# Altium PCB CABLE_JIG_TEST_PCB.PcbDoc (part 3 of 4) (continued)
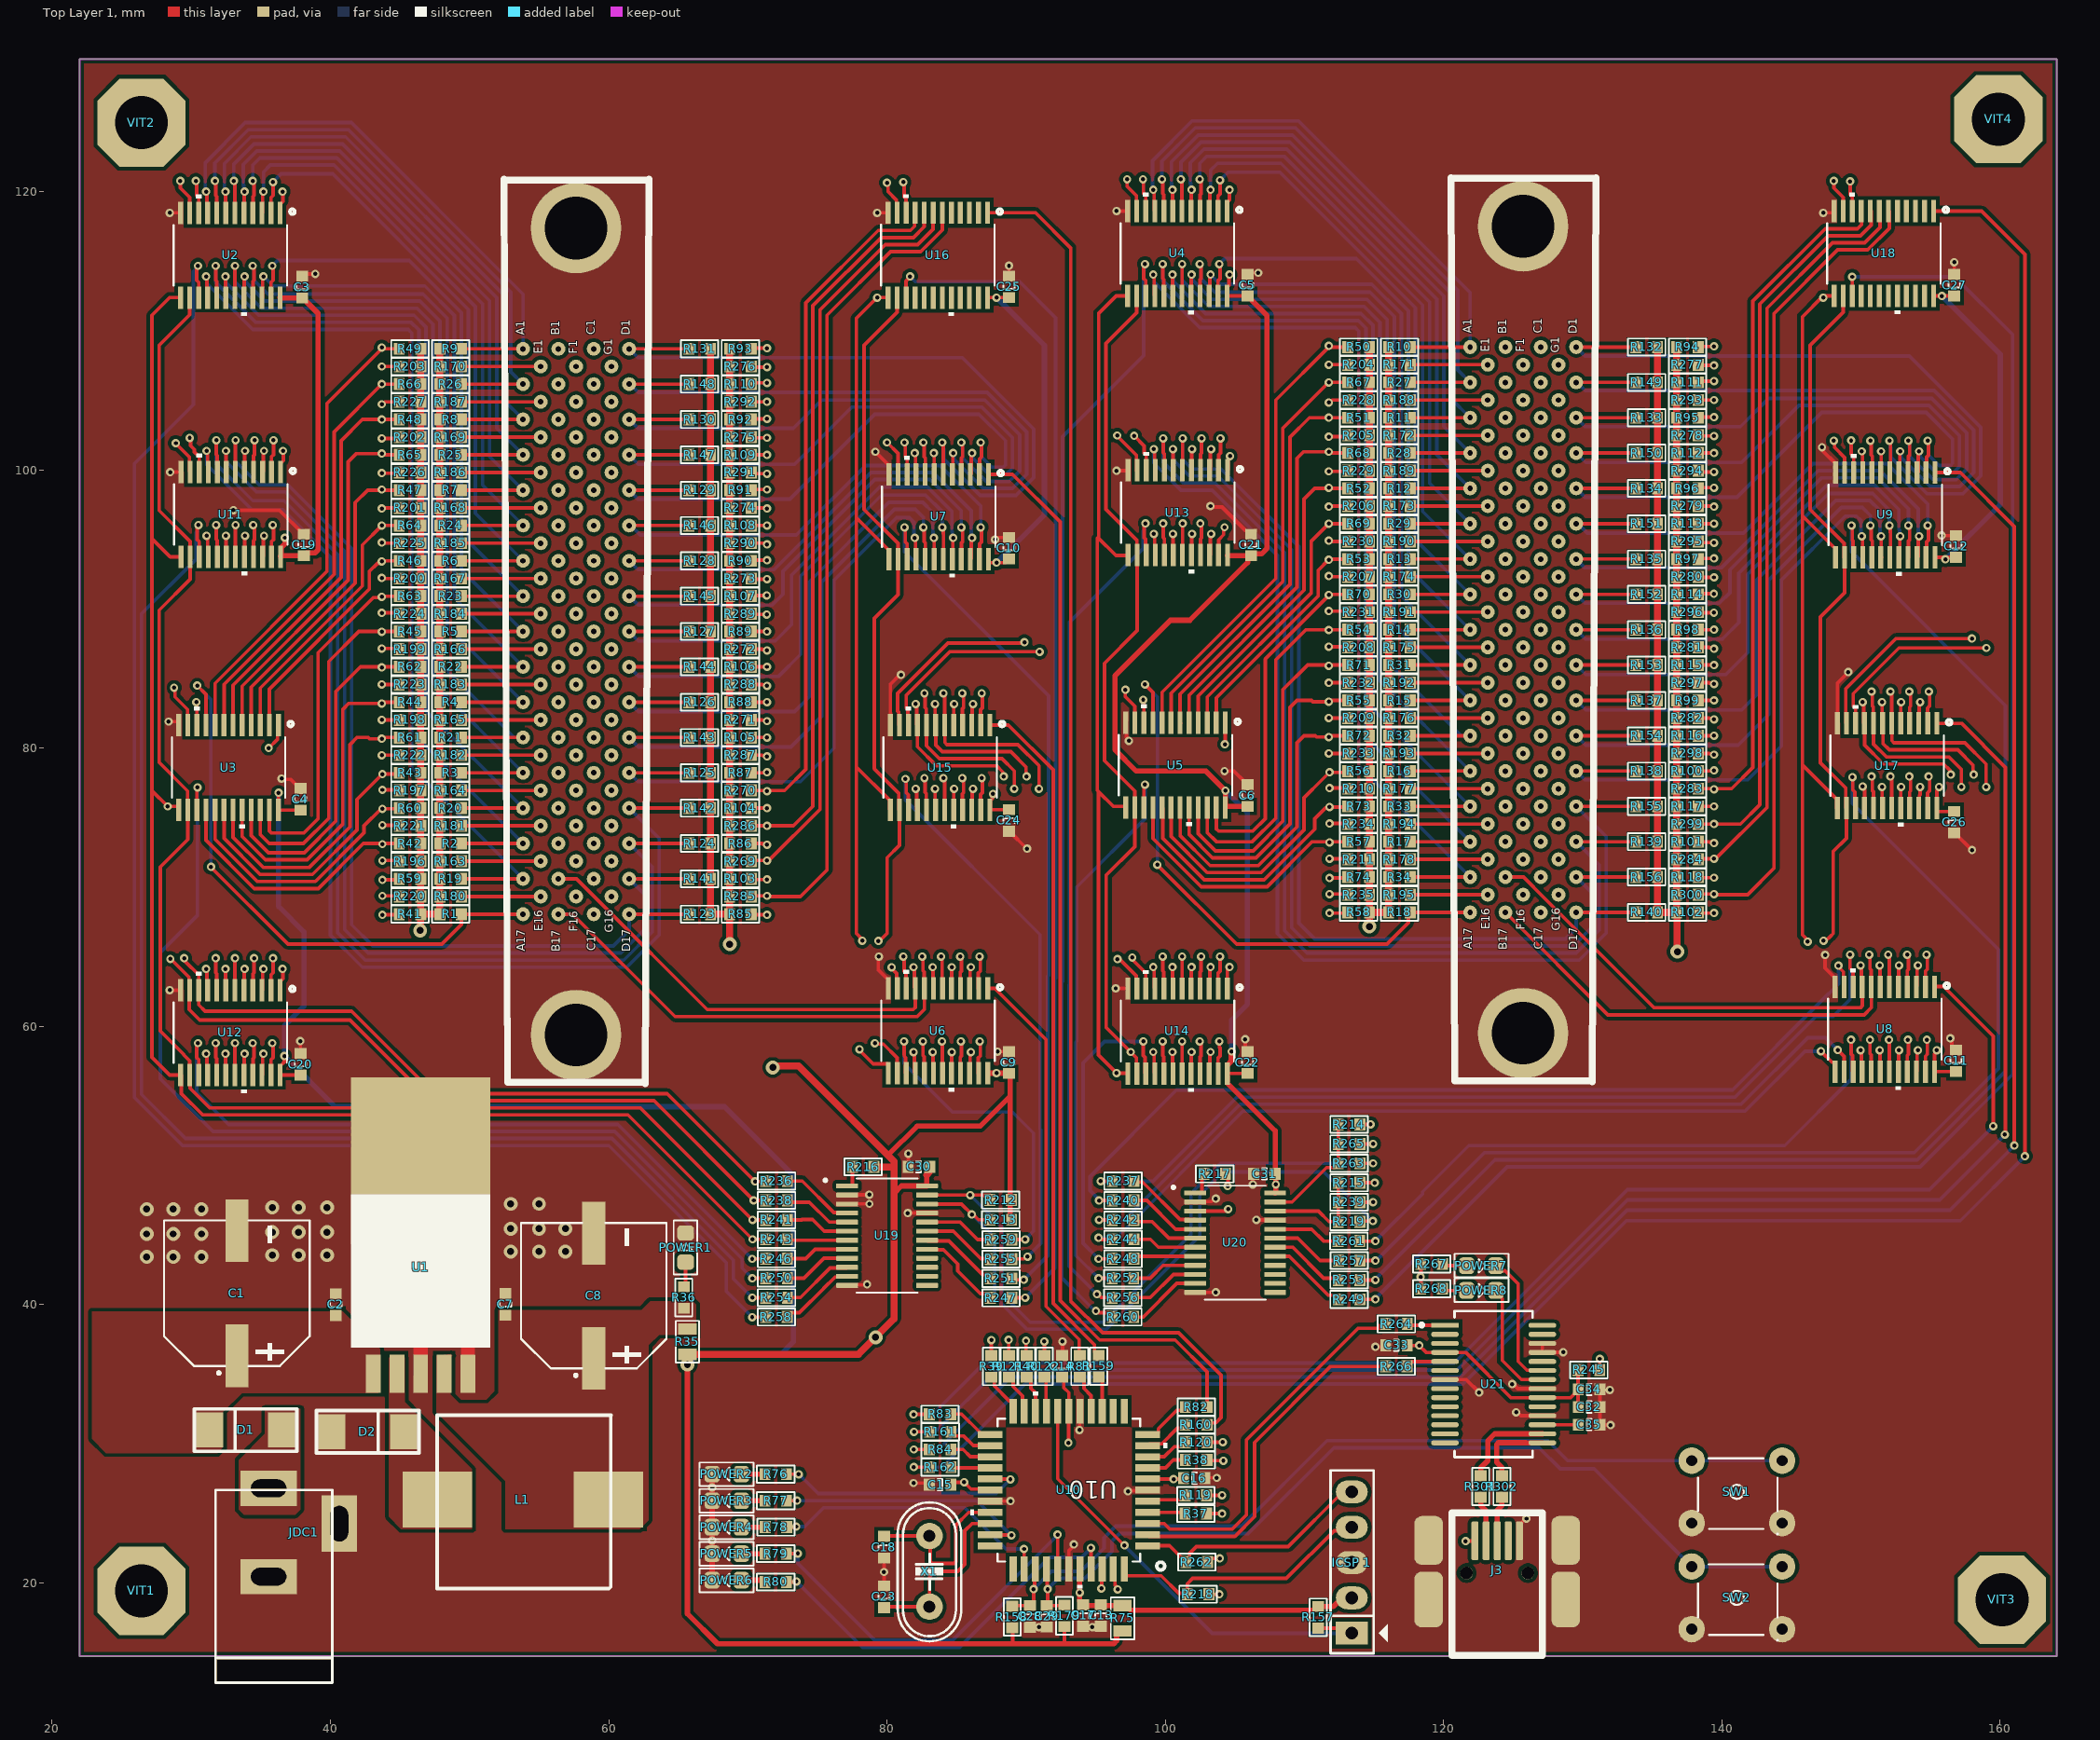
[diagram p0: Top Layer 1 view]
## Nets (pads, with @x,y where several pads share a name; then routed paths per layer and width w, separated by ;. In a path a pad name is that pad's centre, name@x,y a point inside that pad or via, vN(x,y) a via of type N, cw(c..) or ccw(c..) an arc to the next point about the centre after c; other vN are vias at no path point) (continued)
B3Y3: J2.C2 R111.1 U8.6 | length 77.8
  Top Layer 1 w0.254: R111.1@138.316,106.299 138.408,106.391 v1(139.446,106.391) ; v1(151.967,65.151) 151.967,65.057 152.044,64.98 U8.6@152.044,62.865
  Top Layer w0.254: J2.C2@127,106.3 128.247,106.3 129.128,107.181 129.905,107.181 130.695,106.391 v1(139.446,106.391) 139.508,106.329 140.178,106.329 147.828,98.679 147.828,76.752 158.623,65.957 158.623,62.821 157.397,61.595 154.421,61.595 152.059,63.957 152.059,64.656 152.033,64.682 152.033,65.084 v1(151.967,65.151)
B3Y4: J2.C3 R95.1 U8.5 | length 72.6
  Top Layer 1 w0.254: R95.1@138.316,103.759 138.362,103.805 v1(139.446,103.805) ; U8.5@152.694,62.865 152.717,62.888 152.717,64.366 v1(152.74,64.389)
  Top Layer w0.254: J2.C3@127,103.76 128.294,103.76 129.175,104.641 130.182,104.641 131.064,103.759 139.4,103.759 v1(139.446,103.805) 139.492,103.759 141.69,103.759 147.32,98.129 147.32,76.541 158.115,65.746 158.115,63.032 157.186,62.103 154.631,62.103 152.806,63.928 152.806,64.322 v1(152.74,64.389)
B3Y5: J2.C4 R112.1 U8.4 | length 69.4
  Top Layer 1 w0.254: R112.1@138.316,101.219 v1(139.446,101.219) ; v1(153.329,65.151) 153.329,65.057 153.421,64.965 153.421,64.107 153.344,64.03 U8.4@153.344,62.865
  Top Layer w0.254: J2.C4@127,101.22 128.294,101.22 129.175,102.101 130.182,102.101 131.064,101.219 v1(139.446,101.219) 139.512,101.153 139.707,101.153 139.768,101.092 141.441,101.092 146.812,95.721 146.812,76.331 157.607,65.536 157.607,63.242 156.976,62.611 154.842,62.611 153.421,64.032 153.421,64.671 153.395,64.697 153.395,65.084 v1(153.329,65.151)
B3Y6: J2.C5 R96.1 U8.3 | length 63.4
  Top Layer 1 w0.254: R96.1@138.316,98.679 138.362,98.725 v1(139.446,98.725) ; U8.3@153.994,62.865 154.044,62.915 154.044,64.331 v1(154.102,64.389)
  Top Layer w0.254: J2.C5@127,98.68 128.294,98.68 129.175,99.561 130.182,99.561 131.064,98.679 139.4,98.679 v1(139.446,98.725) 141.222,98.725 146.304,93.643 146.304,76.073 157.099,65.278 157.099,63.453 156.765,63.119 155.052,63.119 154.168,64.003 154.168,64.322 v1(154.102,64.389)
B3Y7: J2.C6 R113.1 U8.2 | length 60.8
  Top Layer 1 w0.254: R113.1@138.316,96.139 v1(139.446,96.139) ; U8.2@154.644,62.865 154.644,63.968 154.783,64.107 154.783,65.094 v1(154.726,65.151)
  Top Layer w0.254: J2.C6@127,96.14 128.294,96.14 129.175,97.021 130.182,97.021 131.064,96.139 v1(139.446,96.139) 142.091,96.139 145.796,92.434 145.796,75.819 156.591,65.024 156.591,63.776 156.442,63.627 155.262,63.627 154.783,64.106 154.783,65.094 v1(154.726,65.151)
B3Y8: J2.C7 R97.1 U8.23 | length 61.1
  Top Layer 1 w0.254: R97.1@138.316,93.599 138.362,93.645 v1(139.446,93.645) ; U8.23@154.644,56.765 154.644,57.868 154.783,58.007 154.783,59.016 v1(154.748,59.051)
  Top Layer w0.254: J2.C7@127,93.6 128.247,93.6 129.128,94.481 129.905,94.481 130.787,93.599 139.4,93.599 v1(139.446,93.645) 141.305,93.645 145.288,89.662 145.288,65.278 147.066,63.5 151.079,63.5 154.748,59.831 v1(154.748,59.051)
B3Y9: J2.C8 R114.1 U8.22 | length 58.5
  Top Layer 1 w0.254: R114.1@138.316,91.059 138.362,91.105 v1(139.439,91.105) ; U8.22@153.994,56.765 154.044,56.815 154.044,58.231 v1(154.102,58.289)
  Top Layer w0.254: J2.C8@127,91.06 128.294,91.06 128.659,91.425 129.175,91.941 130.182,91.941 131.064,91.059 139.393,91.059 v1(139.439,91.105) 141.686,91.105 144.78,88.011 144.78,66.04 144.78,65.068 146.856,62.992 147.828,62.992 150.869,62.992 154.067,59.794 154.067,58.324 v1(154.102,58.289)
B3Y10: J2.C9 R98.1 U8.21 | length 55.6
  Top Layer 1 w0.254: R98.1@138.316,88.519 138.836,88.519 v1(139.446,88.519) ; U8.21@153.344,56.765 153.344,57.93 153.421,58.007 153.421,59.016 v1(153.386,59.051)
  Top Layer w0.254: J2.C9@127,88.52 128.294,88.52 128.659,88.885 129.175,89.401 130.182,89.401 131.064,88.519 v1(139.446,88.519) 141.732,88.519 144.272,85.979 144.272,65.83 144.272,64.857 146.645,62.484 147.618,62.484 150.658,62.484 153.386,59.756 v1(153.386,59.051)
B3Y11: J2.C10 R115.1 U8.20 | length 52.4
  Top Layer 1 w0.254: R115.1@138.316,85.979 138.836,85.979 v1(139.446,85.979) ; U8.20@152.694,56.765 152.717,56.788 152.717,58.266 v1(152.74,58.289)
  Top Layer w0.254: J2.C10@127,85.98 128.294,85.98 129.175,86.861 130.182,86.861 131.064,85.979 v1(139.446,85.979) 141.224,85.979 143.764,83.439 143.764,65.405 143.764,64.647 146.435,61.976 147.193,61.976 150.448,61.976 152.705,59.719 152.705,58.324 v1(152.74,58.289)
B3Y12: J2.C11 R99.1 U8.19 | length 49.2
  Top Layer 1 w0.254: R99.1@138.316,83.439 138.836,83.439 v1(139.446,83.439) ; v1(152.024,59.051) 152.059,59.016 U8.19@152.059,56.78
  Top Layer w0.254: J2.C11@127,83.44 128.294,83.44 129.175,84.321 130.182,84.321 131.064,83.439 v1(139.446,83.439) 140.589,83.439 143.256,80.772 143.256,65.195 143.256,64.436 146.224,61.468 146.983,61.468 150.237,61.468 151.973,59.732 151.973,59.101 v1(152.024,59.051)
B3Y13: J2.C12 R116.1 U8.18 | length 46.8
  Top Layer 1 w0.254: R116.1@138.316,80.899 138.836,80.899 v1(139.446,80.899) ; v1(151.363,58.289) 151.379,58.273 151.379,56.78 U8.18@151.394,56.765
  Top Layer w0.254: J2.C12@127,80.9 128.294,80.9 129.175,81.781 130.182,81.781 131.064,80.899 v1(139.446,80.899) 141.329,80.899 142.748,79.48 142.748,64.897 142.748,64.226 146.014,60.96 146.685,60.96 150.027,60.96 151.343,59.644 151.343,58.309 v1(151.363,58.289)
B3Y14: J2.C13 R100.1 U8.17 | length 43.7
  Top Layer 1 w0.254: R100.1@138.316,78.359 138.836,78.359 139.4,78.359 v1(139.446,78.405) ; v1(150.662,59.051) 150.662,58.027 150.744,57.945 U8.17@150.744,56.765
  Top Layer w0.254: J2.C13@127,78.36 128.247,78.36 129.128,79.241 130.182,79.241 131.064,78.359 139.4,78.359 v1(139.446,78.405) 140.543,78.405 142.24,76.708 142.24,64.687 142.24,64.015 145.803,60.452 146.475,60.452 149.816,60.452 150.596,59.673 150.596,59.117 v1(150.662,59.051)
B3Y15: J2.C14 R117.1 U8.16 | length 41.1
  Top Layer 1 w0.254: R117.1@138.316,75.819 138.836,75.819 v1(139.446,75.819) ; v1(149.981,58.289) 150.044,58.226 150.044,56.815 U8.16@150.094,56.765
  Top Layer w0.254: J2.C14@127,75.82 128.294,75.82 129.175,76.701 130.182,76.701 131.064,75.819 v1(139.446,75.819) 141.097,75.819 141.732,75.184 141.732,64.262 141.732,63.805 145.593,59.944 146.05,59.944 149.606,59.944 149.981,59.569 v1(149.981,58.289)
B4_ENABLE: R253.2 U9.15 | length 98.8
  Top Layer 1 w0.254: R253.2@113.991,41.777 v1(115.108,41.777) ; v1(149.33,96.008) 149.387,95.951 149.387,94.964 149.444,94.907 149.444,93.77 U9.15@149.49,93.724
  Bottom Layer 1 w0.254: v1(115.108,41.777) 115.108,41.829 123.698,50.419 154.051,50.419 160.401,56.769 160.401,83.058 149.33,94.129 v1(149.33,96.008)
B4_Z_MCU: R84.1 U10.25 | length 3
  Top Layer 1 w0.254: R84.1@84.595,29.591 85.471,29.591 85.993,29.069 U10.25@87.404,29.069
B4Y0: J2.C15 R101.1 U9.9 | length 99.8
  Top Layer 1 w0.254: R101.1@138.316,73.279 138.836,73.279 139.09,73.279 139.116,73.253 139.38,73.253 v1(139.446,73.187) ; v1(150.068,101.346) 150.131,101.283 150.131,99.872 U9.9@150.181,99.822
  Top Layer w0.254: J2.C15@127,73.28 128.294,73.28 129.175,74.161 130.182,74.161 131.156,73.187 v1(139.446,73.187) ; v1@139.446,73.279 140.335,73.279 141.097,72.517 141.097,61.976 145.923,57.15 158.329,57.15 160.909,59.73 160.909,93.472 155.702,98.679 151.638,98.679 150.068,100.249 v1(150.068,101.346)
B4Y1: J2.C16 R118.1 U9.8 | length 99.7
  Top Layer 1 w0.254: R118.1@138.316,70.739 138.362,70.693 v1(139.446,70.693) ; v1(150.692,102.108) 150.749,102.051 150.749,101.084 150.831,101.002 U9.8@150.831,99.822
  Top Layer w0.254: J2.C16@127,70.74 127.128,70.612 128.166,70.612 129.175,71.621 130.182,71.621 131.064,70.739 139.4,70.739 v1(139.446,70.693) 140.589,69.55 140.589,61.766 145.713,56.642 158.54,56.642 161.417,59.519 161.417,93.726 155.956,99.187 151.892,99.187 150.749,100.33 150.749,102.051 v1(150.692,102.108)
B4Y2: J2.C17 R102.1 U9.7 | length 96.9
  Top Layer 1 w0.254: R102.1@138.316,68.199 138.362,68.153 v1(139.446,68.153) ; v1(151.45,101.346) 151.466,101.33 151.466,99.837 U9.7@151.481,99.822
  Top Layer w0.254: J2.C17@127,68.2 128.294,68.2 129.175,69.081 130.182,69.081 131.064,68.199 139.446,68.199 139.446,62.19 145.502,56.134 158.75,56.134 161.925,59.309 161.925,94.107 156.337,99.695 152.273,99.695 151.488,100.48 151.488,101.308 v1(151.45,101.346)
B4Y3: J2.D1 R132.1 U9.6 | length 50.9
  Top Layer 1 w0.254: J2.D1@129.54,108.84 R132.1@133.833,108.839 R132.1@133.833,108.839 ; v1(152.054,102.108) 152.054,102.014 152.131,101.937 U9.6@152.131,99.822
  Bottom Layer 1 w0.254: J2.D1@129.54,108.84 130.176,108.204 153.499,108.204 158.623,103.08 158.623,99.568 157.353,98.298 154.773,98.298 152.146,100.925 152.146,101.613 152.12,101.639 152.12,102.042 v1(152.054,102.108)
B4Y4: J2.D2 R149.1 U9.5 | length 45.9
  Top Layer 1 w0.254: J2.D2@129.54,106.3 R149.1@133.833,106.299 R149.1@133.833,106.299 ; U9.5@152.781,99.822 152.804,99.845 152.804,101.323 v1(152.827,101.346)
  Bottom Layer 1 w0.254: J2.D2@129.54,106.3 129.606,106.3 130.196,105.71 155.275,105.71 158.115,102.87 158.115,99.822 157.099,98.806 154.984,98.806 152.893,100.896 152.893,101.28 v1(152.827,101.346)
B4Y5: J2.D3 R133.1 U9.4 | length 45.7
  Top Layer 1 w0.254: J2.D3@129.54,103.76 R133.1@133.833,103.759 R133.1@133.833,103.759 ; v1(153.416,102.108) 153.416,102.014 153.508,101.922 153.508,101.064 153.431,100.987 U9.4@153.431,99.822
  Bottom Layer 1 w0.254: J2.D3@129.54,103.76 130.176,103.124 141.351,103.124 143.383,105.156 155.111,105.156 157.607,102.66 157.607,100.058 156.863,99.314 155.194,99.314 153.508,101 153.508,101.628 153.482,101.654 153.482,102.042 v1(153.416,102.108)
B4Y6: J2.D4 R150.1 U9.3 | length 42.4
  Top Layer 1 w0.254: J2.D4@129.54,101.22 R150.1@133.833,101.219 R150.1@133.833,101.219 ; U9.3@154.081,99.822 154.131,99.872 154.131,101.288 v1(154.189,101.346)
  Bottom Layer 1 w0.254: J2.D4@129.54,101.22 130.222,100.538 141.432,100.538 145.542,104.648 154.9,104.648 157.099,102.449 157.099,100.268 156.653,99.822 155.404,99.822 154.255,100.971 154.255,101.28 v1(154.189,101.346)
B4Y7: J2.D5 R134.1 U9.2 | length 42.2
  Top Layer 1 w0.254: J2.D5@129.54,98.68 R134.1@133.833,98.679 R134.1@133.833,98.679 ; U9.2@154.731,99.822 154.731,100.925 154.87,101.064 154.87,102.051 v1(154.813,102.108)
  Bottom Layer 1 w0.254: J2.D5@129.54,98.68 130.176,98.044 141.097,98.044 147.193,104.14 154.69,104.14 156.591,102.239 156.591,100.479 156.442,100.33 155.615,100.33 154.87,101.075 154.87,102.051 v1(154.813,102.108)
B4Y8: J2.D6 R151.1 U9.23 | length 37
  Top Layer 1 w0.254: J2.D6@129.54,96.14 R151.1@133.833,96.139 R151.1@133.833,96.139 ; U9.23@154.731,93.722 154.731,94.825 154.87,94.964 154.87,95.951 v1(154.813,96.008)
  Bottom Layer 1 w0.254: J2.D6@129.54,96.14 129.666,96.14 130.348,95.458 141.559,95.458 146.558,100.457 151.892,100.457 154.813,97.536 v1(154.813,96.008)
B4Y9: J2.D7 R135.1 U9.22 | length 36.7
  Top Layer 1 w0.254: J2.D7@129.54,93.6 R135.1@133.833,93.599 R135.1@133.833,93.599 ; U9.22@154.081,93.722 154.131,93.772 154.131,95.189 v1(154.189,95.246)
  Bottom Layer 1 w0.254: J2.D7@129.54,93.6 130.176,92.964 139.954,92.964 146.939,99.949 151.384,99.949 154.132,97.201 154.132,95.303 v1(154.189,95.246)
B4Y10: J2.D8 R152.1 U9.21 | length 37.6
  Top Layer 1 w0.254: J2.D8@129.54,91.06 R152.1@133.833,91.059 R152.1@133.833,91.059 ; v1(153.416,96.008) 153.416,95.914 153.508,95.822 153.508,94.964 153.431,94.887 U9.21@153.431,93.722
  Bottom Layer 1 w0.254: J2.D8@129.54,91.06 130.176,90.424 139.827,90.424 140.589,91.186 140.589,92.837 147.193,99.441 151.174,99.441 153.416,97.199 v1(153.416,96.008)
B4Y11: J2.D9 R136.1 U9.20 | length 38.7
  Top Layer 1 w0.254: J2.D9@129.54,88.52 R136.1@133.833,88.519 R136.1@133.833,88.519 ; U9.20@152.781,93.722 152.804,93.745 152.804,95.223 v1(152.827,95.246)
  Bottom Layer 1 w0.254: J2.D9@129.54,88.52 130.222,87.838 140.035,87.838 140.208,88.011 141.224,89.027 141.224,92.583 147.554,98.913 150.983,98.913 152.735,97.161 152.735,95.726 152.781,95.68 152.781,95.292 v1(152.827,95.246)
B4Y12: J2.D10 R153.1 U9.19 | length 39.7
  Top Layer 1 w0.254: J2.D10@129.54,85.98 R153.1@133.833,85.979 R153.1@133.833,85.979 ; v1(152.054,96.008) 152.12,95.942 152.12,95.539 152.138,95.521 152.138,93.73 U9.19@152.131,93.722
  Bottom Layer 1 w0.254: J2.D10@129.54,85.98 130.222,85.298 140.289,85.298 141.859,86.868 141.859,92.5 147.679,98.32 150.858,98.32 152.054,97.124 v1(152.054,96.008)
B4Y13: J2.D11 R137.1 U9.18 | length 41.2
  Top Layer 1 w0.254: J2.D11@129.54,83.44 R137.1@133.833,83.439 R137.1@133.833,83.439 ; v1(151.45,95.246) 151.466,95.231 151.466,93.738 U9.18@151.481,93.722
  Bottom Layer 1 w0.254: J2.D11@129.54,83.44 130.222,82.758 141.432,82.758 142.494,83.82 142.494,92.097 148.209,97.812 150.648,97.812 151.373,97.086 151.373,95.726 151.384,95.715 151.384,95.312 v1(151.45,95.246)
B4Y14: J2.D12 R154.1 U9.17 | length 41.8
  Top Layer 1 w0.254: J2.D12@129.54,80.9 R154.1@133.833,80.899 R154.1@133.833,80.899 ; v1(150.692,96.008) 150.749,95.951 150.749,94.984 150.831,94.902 U9.17@150.831,93.722
  Bottom Layer 1 w0.254: J2.D12@129.54,80.9 130.222,80.218 141.178,80.218 143.383,82.423 143.383,92.075 148.612,97.304 150.114,97.304 150.692,96.726 v1(150.692,96.008)
B4Y15: J2.D13 R138.1 U9.16 | length 42.7
  Top Layer 1 w0.254: J2.D13@129.54,78.36 R138.1@133.833,78.359 R138.1@133.833,78.359 ; v1(150.068,95.246) 150.131,95.184 150.131,93.772 U9.16@150.181,93.722
  Bottom Layer 1 w0.254: J2.D13@129.54,78.36 130.176,77.724 141.859,77.724 144.272,80.137 144.272,92.075 148.886,96.689 149.691,96.689 150.011,96.369 150.011,95.303 v1(150.068,95.246)
B5_ENABLE: R256.1 U13.15 | length 62.1
  Top Layer 1 w0.254: v1(95.091,40.751) 95.166,40.751 95.411,40.507 R256.1@96.185,40.507 ; v1(98.587,96.167) 98.587,96.073 98.495,95.981 98.495,95.123 98.589,95.029 98.589,93.931 U13.15@98.639,93.881
  Bottom Layer 1 w0.254: v1(95.091,40.751) 94.217,41.625 93.076,42.766 93.076,62.977 93.137,63.039 93.137,89.073 98.425,94.361 98.425,95.617 98.521,95.713 98.521,96.101 v1(98.587,96.167)
B5_Z_MCU: R121.1 U10.21 | length 2.9
  Top Layer 1 w0.254: R121.1@88.773,34.785 88.811,34.785 89.078,34.519 89.078,34.112 89.746,33.444 89.746,32.465 U10.21@89.873,32.338
B5Y0: J2.D14 R155.1 U13.9 | length 80.9
  Top Layer 1 w0.254: v1(99.176,101.505) 99.239,101.442 99.239,100.031 U13.9@99.289,99.981 ; J2.D14@129.54,75.82 R155.1@133.833,75.819 R155.1@133.833,75.819
  Bottom Layer 1 w0.254: v1(99.176,101.505) 99.176,100.512 101.136,98.552 103.382,98.552 108.077,93.857 108.077,66.675 109.982,64.77 129.753,64.77 131.699,66.716 131.699,73.661 J2.D14@129.54,75.82
B5Y1: J2.D15 R139.1 U13.8 | length 77.9
  Top Layer 1 w0.254: v1(99.857,102.267) 99.857,101.243 99.939,101.161 U13.8@99.939,99.981 ; J2.D15@129.54,73.28 R139.1@133.833,73.279 R139.1@133.833,73.279
  Bottom Layer 1 w0.254: v1(99.857,102.267) 99.857,100.549 101.346,99.06 103.592,99.06 108.585,94.067 108.585,66.885 110.192,65.278 129.542,65.278 131.191,66.927 131.191,71.629 J2.D15@129.54,73.28
B5Y2: J2.D16 R156.1 U13.7 | length 71.8
  Top Layer 1 w0.254: v1(100.558,101.505) 100.574,101.489 100.574,99.996 U13.7@100.589,99.981 ; J2.D16@129.54,70.74 R156.1@133.833,70.739 R156.1@133.833,70.739
  Bottom Layer 1 w0.254: v1(100.558,101.505) 100.558,100.737 101.727,99.568 103.803,99.568 109.093,94.278 109.093,67.096 110.403,65.786 129.332,65.786 130.683,67.137 130.683,69.597 J2.D16@129.54,70.74
B5Y3: J2.D17 R140.1 U13.6 | length 68
  Top Layer 1 w0.254: U13.6@101.239,99.981 101.247,99.988 101.247,102.259 v1(101.254,102.267) ; J2.D17@129.54,68.2 R140.1@133.833,68.199
  Bottom Layer 1 w0.254: v1(101.254,102.267) 101.254,100.759 101.937,100.076 104.013,100.076 109.601,94.488 109.601,67.437 110.744,66.294 128.778,66.294 129.54,67.056 J2.D17@129.54,68.2
B5Y4: J2.E1 R171.1 U13.5 | length 34.3
  Top Layer 1 w0.254: U13.5@101.889,99.981 101.912,100.004 101.912,101.482 v1(101.935,101.505) ; R171.1@117.488,107.569 J2.E1@123.19,107.569
  Top Layer w0.254: v1(101.935,101.505) 101.935,106.126 104.059,108.25 120.731,108.25 121.292,107.689 123.07,107.689 J2.E1@123.19,107.569
B5Y5: J2.E2 R188.1 U13.4 | length 31.8
  Top Layer 1 w0.254: U13.4@102.539,99.981 102.539,101.146 102.616,101.223 v1(102.616,102.267) ; R188.1@117.488,105.029 J2.E2@123.19,105.029
  Top Layer w0.254: v1(102.616,102.267) 102.616,105.029 103.124,105.537 120.904,105.537 121.285,105.156 123.063,105.156 J2.E2@123.19,105.029
B5Y6: J2.E3 R172.1 U13.3 | length 30.3
  Top Layer 1 w0.254: U13.3@103.189,99.981 103.239,100.031 103.239,101.447 v1(103.297,101.505) ; R172.1@117.488,102.489 J2.E3@123.19,102.489
  Top Layer w0.254: v1(103.297,101.505) 103.297,103.805 103.632,104.14 109.728,104.14 110.79,103.078 120.696,103.078 121.165,102.609 123.07,102.609 J2.E3@123.19,102.489
B5Y7: J2.E4 R189.1 U13.2 | length 29.9
  Top Layer 1 w0.254: U13.2@103.839,99.981 103.839,101.084 103.978,101.223 v1(103.978,102.267) ; R189.1@117.488,99.949 J2.E4@123.19,99.949
  Top Layer w0.254: v1(103.978,102.267) 103.978,103.343 104.14,103.505 108.331,103.505 111.252,100.584 120.523,100.584 121.031,100.076 123.063,100.076 J2.E4@123.19,99.949
B5Y8: J2.E5 R173.1 U13.23 | length 28
  Top Layer 1 w0.254: U13.23@103.839,93.881 103.839,94.984 104.201,95.346 104.201,95.819 v1(104.267,95.885) ; R173.1@117.488,97.409 J2.E5@123.19,97.409
  Top Layer w0.254: v1(104.267,95.885) 108.204,95.885 110.363,98.044 120.777,98.044 121.285,97.536 123.063,97.536 J2.E5@123.19,97.409
B5Y9: J2.E6 R190.1 U13.22 | length 28.1
  Top Layer 1 w0.254: U13.22@103.189,93.881 103.239,93.931 103.239,95.347 v1(103.297,95.405) ; R190.1@117.488,94.869 J2.E6@123.19,94.869
  Top Layer w0.254: v1(103.297,95.405) 104.468,94.234 120.269,94.234 121.158,95.123 122.734,95.123 122.988,94.869 J2.E6@123.19,94.869
B5Y10: J2.E7 R174.1 U13.21 | length 31.5
  Top Layer 1 w0.254: v1(102.524,96.167) 102.524,96.073 102.616,95.981 102.616,95.123 102.539,95.046 U13.21@102.539,93.881 ; R174.1@117.488,92.329 J2.E7@123.19,92.329
  Top Layer w0.254: v1(102.524,96.167) 102.59,96.101 102.59,95.713 102.616,95.687 102.616,95.123 106.045,91.694 120.142,91.694 120.904,92.456 123.063,92.456 J2.E7@123.19,92.329
B5Y11: J2.E8 R191.1 U13.20 | length 31.6
  Top Layer 1 w0.254: U13.20@101.889,93.881 101.912,93.904 101.912,95.382 v1(101.935,95.405) ; R191.1@117.488,89.789 J2.E8@123.19,89.789
  Top Layer w0.254: v1(101.935,95.405) 102.001,95.339 102.001,95.019 107.841,89.179 120.294,89.179 121.031,89.916 123.063,89.916 J2.E8@123.19,89.789
B5Y12: J2.E9 R175.1 U13.19 | length 35
  Top Layer 1 w0.254: U13.19@101.239,93.881 101.247,93.889 101.247,96.16 v1(101.254,96.167) ; R175.1@117.488,87.249 J2.E9@123.19,87.249
  Top Layer w0.254: v1(101.254,96.167) 101.254,94.834 109.474,86.614 120.142,86.614 120.904,87.376 123.063,87.376 J2.E9@123.19,87.249
B5Y13: J2.E10 R192.1 U13.18 | length 35.7
  Top Layer 1 w0.254: v1(100.558,95.405) 100.574,95.39 100.574,93.897 U13.18@100.589,93.881 ; R192.1@117.488,84.709 J2.E10@123.19,84.709
  Top Layer w0.254: v1(100.558,95.405) 100.558,94.133 110.663,84.028 120.35,84.028 121.158,84.836 123.063,84.836 J2.E10@123.19,84.709
B5Y14: J2.E11 R176.1 U13.17 | length 39.7
  Top Layer 1 w0.254: v1(99.857,96.167) 99.857,95.143 99.939,95.061 U13.17@99.939,93.881 ; R176.1@117.488,82.169 J2.E11@123.19,82.169
  Top Layer w0.254: v1(99.857,96.167) 99.857,93.109 111.478,81.488 120.35,81.488 121.243,82.381 122.426,82.381 122.496,82.312 123.047,82.312 J2.E11@123.19,82.169
B5Y15: J2.E12 R193.1 U13.16 | length 40.9
  Top Layer 1 w0.254: v1(99.176,95.405) 99.239,95.342 99.239,93.931 U13.16@99.289,93.881 ; R193.1@117.488,79.629 J2.E12@123.19,79.629
  Top Layer w0.254: v1(99.176,95.405) 99.176,91.25 111.478,78.948 120.223,78.948 121.024,79.749 123.07,79.749 J2.E12@123.19,79.629
B6_ENABLE: R248.1 U14.15 | length 22.9
  Top Layer 1 w0.254: v1(95.22,43.291) 96.175,43.291 R248.1@96.185,43.301 ; v1(98.425,58.928) 98.425,57.919 98.56,57.784 98.56,56.671 U14.15@98.61,56.621
  Bottom Layer 1 w0.254: v1(95.22,43.291) 94.092,44.419 94.092,57.389 95.631,58.928 v1(98.425,58.928)
B6_Z_MCU: R122.1 U10.19 | length 2.5
  Top Layer 1 w0.254: R122.1@91.313,34.785 91.44,34.658 91.44,32.372 U10.19@91.473,32.338
B6Y0: J2.E13 R177.1 U14.9 | length 38.4
  Top Layer 1 w0.254: v1(99.141,64.266) 99.204,64.203 99.204,62.792 U14.9@99.254,62.742 ; R177.1@117.488,77.089 J2.E13@123.19,77.089
  Top Layer w0.254: v1(99.141,64.266) 99.141,67.137 108.458,76.454 120.396,76.454 121.158,77.216 123.063,77.216 J2.E13@123.19,77.089
B6Y1: J2.E14 R194.1 U14.8 | length 36.7
  Top Layer 1 w0.254: v1(99.822,65.028) 99.822,64.004 99.904,63.922 U14.8@99.904,62.742 ; R194.1@117.488,74.549 J2.E14@123.19,74.549
  Top Layer w0.254: v1(99.822,65.028) 99.822,66.929 106.807,73.914 120.269,73.914 121.158,74.803 122.734,74.803 122.988,74.549 J2.E14@123.19,74.549
B6Y2: J2.E15 R178.1 U14.7 | length 34.7
  Top Layer 1 w0.254: v1(100.523,64.266) 100.539,64.25 100.539,62.757 U14.7@100.554,62.742 ; R178.1@117.488,72.009 J2.E15@123.19,72.009
  Top Layer w0.254: v1(100.523,64.266) 100.523,66.741 105.156,71.374 120.015,71.374 120.777,72.136 122.073,72.136 122.08,72.129 123.07,72.129 J2.E15@123.19,72.009
B6Y3: J2.E16 R195.1 U14.6 | length 31.9
  Top Layer 1 w0.254: U14.6@101.204,62.742 101.211,62.749 101.211,65.02 v1(101.219,65.028) ; R195.1@117.488,69.469 J2.E16@123.19,69.469
  Top Layer w0.254: v1(101.219,65.028) 105.025,68.834 119.888,68.834 120.643,69.589 123.07,69.589 J2.E16@123.19,69.469
B6Y4: J2.F1 R204.1 U14.5 | length 65
  Top Layer 1 w0.254: U14.5@101.854,62.742 101.877,62.765 101.877,64.243 v1(101.9,64.266) ; v1(111.76,107.569) R204.1@113.017,107.569
  Bottom Layer w0.254: v1(101.9,64.266) 101.9,66.213 105.283,69.596 105.283,85.344 105.537,85.598 105.537,101.346 v1(111.76,107.569) 121.92,107.569 122.936,108.585 123.444,108.585 124.46,107.569 J2.F1@125.73,107.569
B6Y5: J2.F2 R228.1 U14.4 | length 62.2
  Top Layer 1 w0.254: U14.4@102.504,62.742 102.504,63.907 102.581,63.984 v1(102.581,65.028) ; v1(111.76,104.856) 111.854,104.856 112.027,105.029 R228.1@113.017,105.029
  Bottom Layer w0.254: v1(102.581,65.028) 102.581,65.878 105.791,69.088 105.791,84.074 106.045,84.328 106.045,99.314 111.446,104.715 111.525,104.715 111.666,104.856 v1(111.76,104.856) ; v1@111.76,105.029 121.92,105.029 122.936,106.045 123.444,106.045 124.46,105.029 J2.F2@125.73,105.029
B6Y6: J2.F3 R205.1 U14.3 | length 60.1
  Top Layer 1 w0.254: U14.3@103.154,62.742 103.204,62.792 103.204,64.208 v1(103.262,64.266) ; v1(111.76,102.397) 112.925,102.397 R205.1@113.017,102.489
  Bottom Layer w0.254: v1(103.262,64.266) 103.262,65.67 106.299,68.707 106.299,83.502 106.553,83.757 106.553,98.552 110.398,102.397 v1(111.76,102.397) ; v1@111.76,102.489 121.92,102.489 122.936,103.505 123.444,103.505 124.46,102.489 J2.F3@125.73,102.489
B6Y7: J2.F4 R229.1 U14.2 | length 57.5
  Top Layer 1 w0.254: U14.2@103.804,62.742 103.804,63.845 103.943,63.984 v1(103.943,65.028) ; v1(111.76,99.903) 112.971,99.903 R229.1@113.017,99.949
  Bottom Layer w0.254: v1(103.943,65.028) 106.807,67.892 106.807,82.253 107.061,82.507 107.061,96.774 110.236,99.949 v1@111.76,99.949 ; v1(111.76,99.903) 111.806,99.949 121.92,99.949 122.936,100.965 123.444,100.965 124.46,99.949 J2.F4@125.73,99.949
B6Y8: J2.F5 R206.1 U14.23 | length 60.8
  Top Layer 1 w0.254: U14.23@103.804,56.642 103.804,57.745 103.943,57.884 103.943,58.448 103.902,58.489 103.902,58.912 v1(103.886,58.928) ; v1(111.76,97.363) 111.806,97.409 112.497,97.409 R206.1@113.017,97.409
  Bottom Layer w0.254: v1(103.886,58.928) 107.315,62.357 107.315,82.035 107.569,82.289 107.569,94.234 110.744,97.409 111.714,97.409 v1(111.76,97.363) ; v1@111.76,97.409 121.92,97.409 122.936,98.425 123.444,98.425 124.46,97.409 J2.F5@125.73,97.409
B6Y9: J2.F6 R230.1 U14.22 | length 60.5
  Top Layer 1 w0.254: U14.22@103.154,56.642 103.211,56.699 103.211,58.115 v1(103.262,58.166) ; v1(111.76,94.915) 111.806,94.869 112.497,94.869 R230.1@113.017,94.869
  Bottom Layer w0.254: v1(103.262,58.166) 104.151,57.277 105.537,57.277 107.823,59.563 107.823,81.824 108.077,82.078 108.077,91.186 v1@111.76,94.869 ; v1(111.76,94.915) v1@111.76,94.869 ; J2.F6@125.73,94.869 124.46,94.869 123.444,95.885 122.936,95.885 121.92,94.869 v1@111.76,94.869
B6Y10: J2.F7 R207.1 U14.21 | length 61.5
  Top Layer 1 w0.254: v1(102.489,58.928) 102.489,58.834 102.581,58.742 102.581,57.884 102.504,57.807 U14.21@102.504,56.642 ; v1(111.76,92.375) 111.806,92.329 112.497,92.329 R207.1@113.017,92.329
  Bottom Layer w0.254: v1(102.489,58.928) 102.555,58.862 102.555,58.474 102.581,58.448 102.581,57.884 103.823,56.642 105.918,56.642 108.331,59.055 108.331,81.614 108.585,81.868 108.585,89.154 v1@111.76,92.329 ; v1(111.76,92.375) 111.806,92.329 121.92,92.329 122.936,93.345 123.444,93.345 124.46,92.329 J2.F7@125.73,92.329
B6Y11: J2.F8 R231.1 U14.20 | length 59.4
  Top Layer 1 w0.254: U14.20@101.854,56.642 101.877,56.665 101.877,58.143 v1(101.9,58.166) ; v1(111.76,89.86) 112.946,89.86 R231.1@113.017,89.789
  Bottom Layer w0.254: v1(101.9,58.166) 101.966,58.1 101.966,57.78 103.613,56.134 106.128,56.134 108.839,58.845 108.839,81.403 109.093,81.657 109.093,88.011 110.942,89.86 v1(111.76,89.86) ; v1@111.76,89.789 121.92,89.789 122.936,90.805 123.444,90.805 124.46,89.789 J2.F8@125.73,89.789
B6Y12: J2.F9 R208.1 U14.19 | length 60.4
  Top Layer 1 w0.254: U14.19@101.21,56.621 101.219,56.629 v1(101.219,58.928) ; v1(111.76,87.295) 112.971,87.295 R208.1@113.017,87.249
  Bottom Layer w0.254: v1(101.219,58.928) 101.219,57.614 103.229,55.604 106.317,55.604 109.347,58.634 109.347,81.193 109.601,81.447 109.601,86.487 110.363,87.249 111.714,87.249 v1(111.76,87.295) ; v1@111.76,87.249 121.92,87.249 122.936,88.265 123.444,88.265 124.46,87.249 J2.F9@125.73,87.249
B6Y13: J2.F10 R232.1 U14.18 | length 57.1
  Top Layer 1 w0.254: v1(100.523,58.166) 100.539,58.15 100.539,56.657 U14.18@100.554,56.642 ; v1(111.76,84.709) R232.1@113.017,84.709
  Bottom Layer w0.254: v1(100.523,58.166) 100.589,58.1 100.589,57.526 103.019,55.096 106.658,55.096 109.855,58.293 109.855,80.982 110.109,81.236 110.109,83.058 v1(111.76,84.709) 121.92,84.709 122.936,85.725 123.444,85.725 124.46,84.709 J2.F10@125.73,84.709
B6Y14: J2.F11 R209.1 U14.17 | length 57.7
  Top Layer 1 w0.254: v1(99.822,58.928) 99.822,57.904 99.904,57.822 U14.17@99.904,56.642 ; v1(111.76,82.169) R209.1@113.017,82.169
  Bottom Layer w0.254: v1(99.822,58.928) 99.822,57.531 102.743,54.61 102.787,54.61 102.808,54.588 106.869,54.588 110.363,58.083 110.363,80.772 v1(111.76,82.169) 121.92,82.169 122.936,83.185 123.444,83.185 124.46,82.169 J2.F11@125.73,82.169
B6Y15: J2.F12 R233.1 U14.16 | length 55.2
  Top Layer 1 w0.254: v1(99.141,58.166) 99.204,58.103 99.204,56.692 U14.16@99.254,56.642 ; v1(111.76,79.629) R233.1@113.017,79.629
  Bottom Layer w0.254: v1(99.141,58.166) 99.15,58.157 99.15,57.485 102.554,54.08 107.079,54.08 110.871,57.872 110.871,78.834 111.666,79.629 v1(111.76,79.629) 121.92,79.629 122.936,80.645 123.444,80.645 124.46,79.629 J2.F12@125.73,79.629
B7_ENABLE: R257.2 U17.15 | length 79.2
  Top Layer 1 w0.254: R257.2@114.003,43.174 114.007,43.171 v1(115.108,43.171) ; v1(149.403,77.923) 149.425,77.901 149.425,76.998 149.567,76.856 149.567,75.74 U17.15@149.617,75.69
  Bottom Layer 1 w0.254: v1(115.108,43.171) 115.18,43.171 122.936,50.927 153.841,50.927 159.893,56.979 159.893,65.532 149.403,76.022 v1(149.403,77.923)
B7_Z_MCU: R161.1 U10.24 | length 3.2
  Top Layer 1 w0.254: R161.1@84.607,30.861 84.607,30.823 84.874,30.556 85.522,30.556 86.209,29.869 U10.24@87.404,29.869
B7Y0: J2.F13 R210.1 U17.9 | length 61.3
  Top Layer 1 w0.254: v1(111.806,77.135) 112.971,77.135 R210.1@113.017,77.089 ; v1(150.141,83.314) 150.204,83.251 150.204,81.84 U17.9@150.254,81.79 ; U17.9@150.267,81.79 150.267,80.23 151.63,78.867 155.956,78.867 156.398,78.425 156.398,78.171 v1(156.464,78.105)
  Bottom Layer w0.254: v1(111.806,77.135) 111.852,77.089 121.92,77.089 122.936,78.105 123.444,78.105 124.46,77.089 J2.F13@125.73,77.089 127,77.089 130.221,73.868 154.136,73.868 156.464,76.196 v1(156.464,78.105)